# Altium PCB PCB3.PcbDoc (part 1 of 8) (continued)
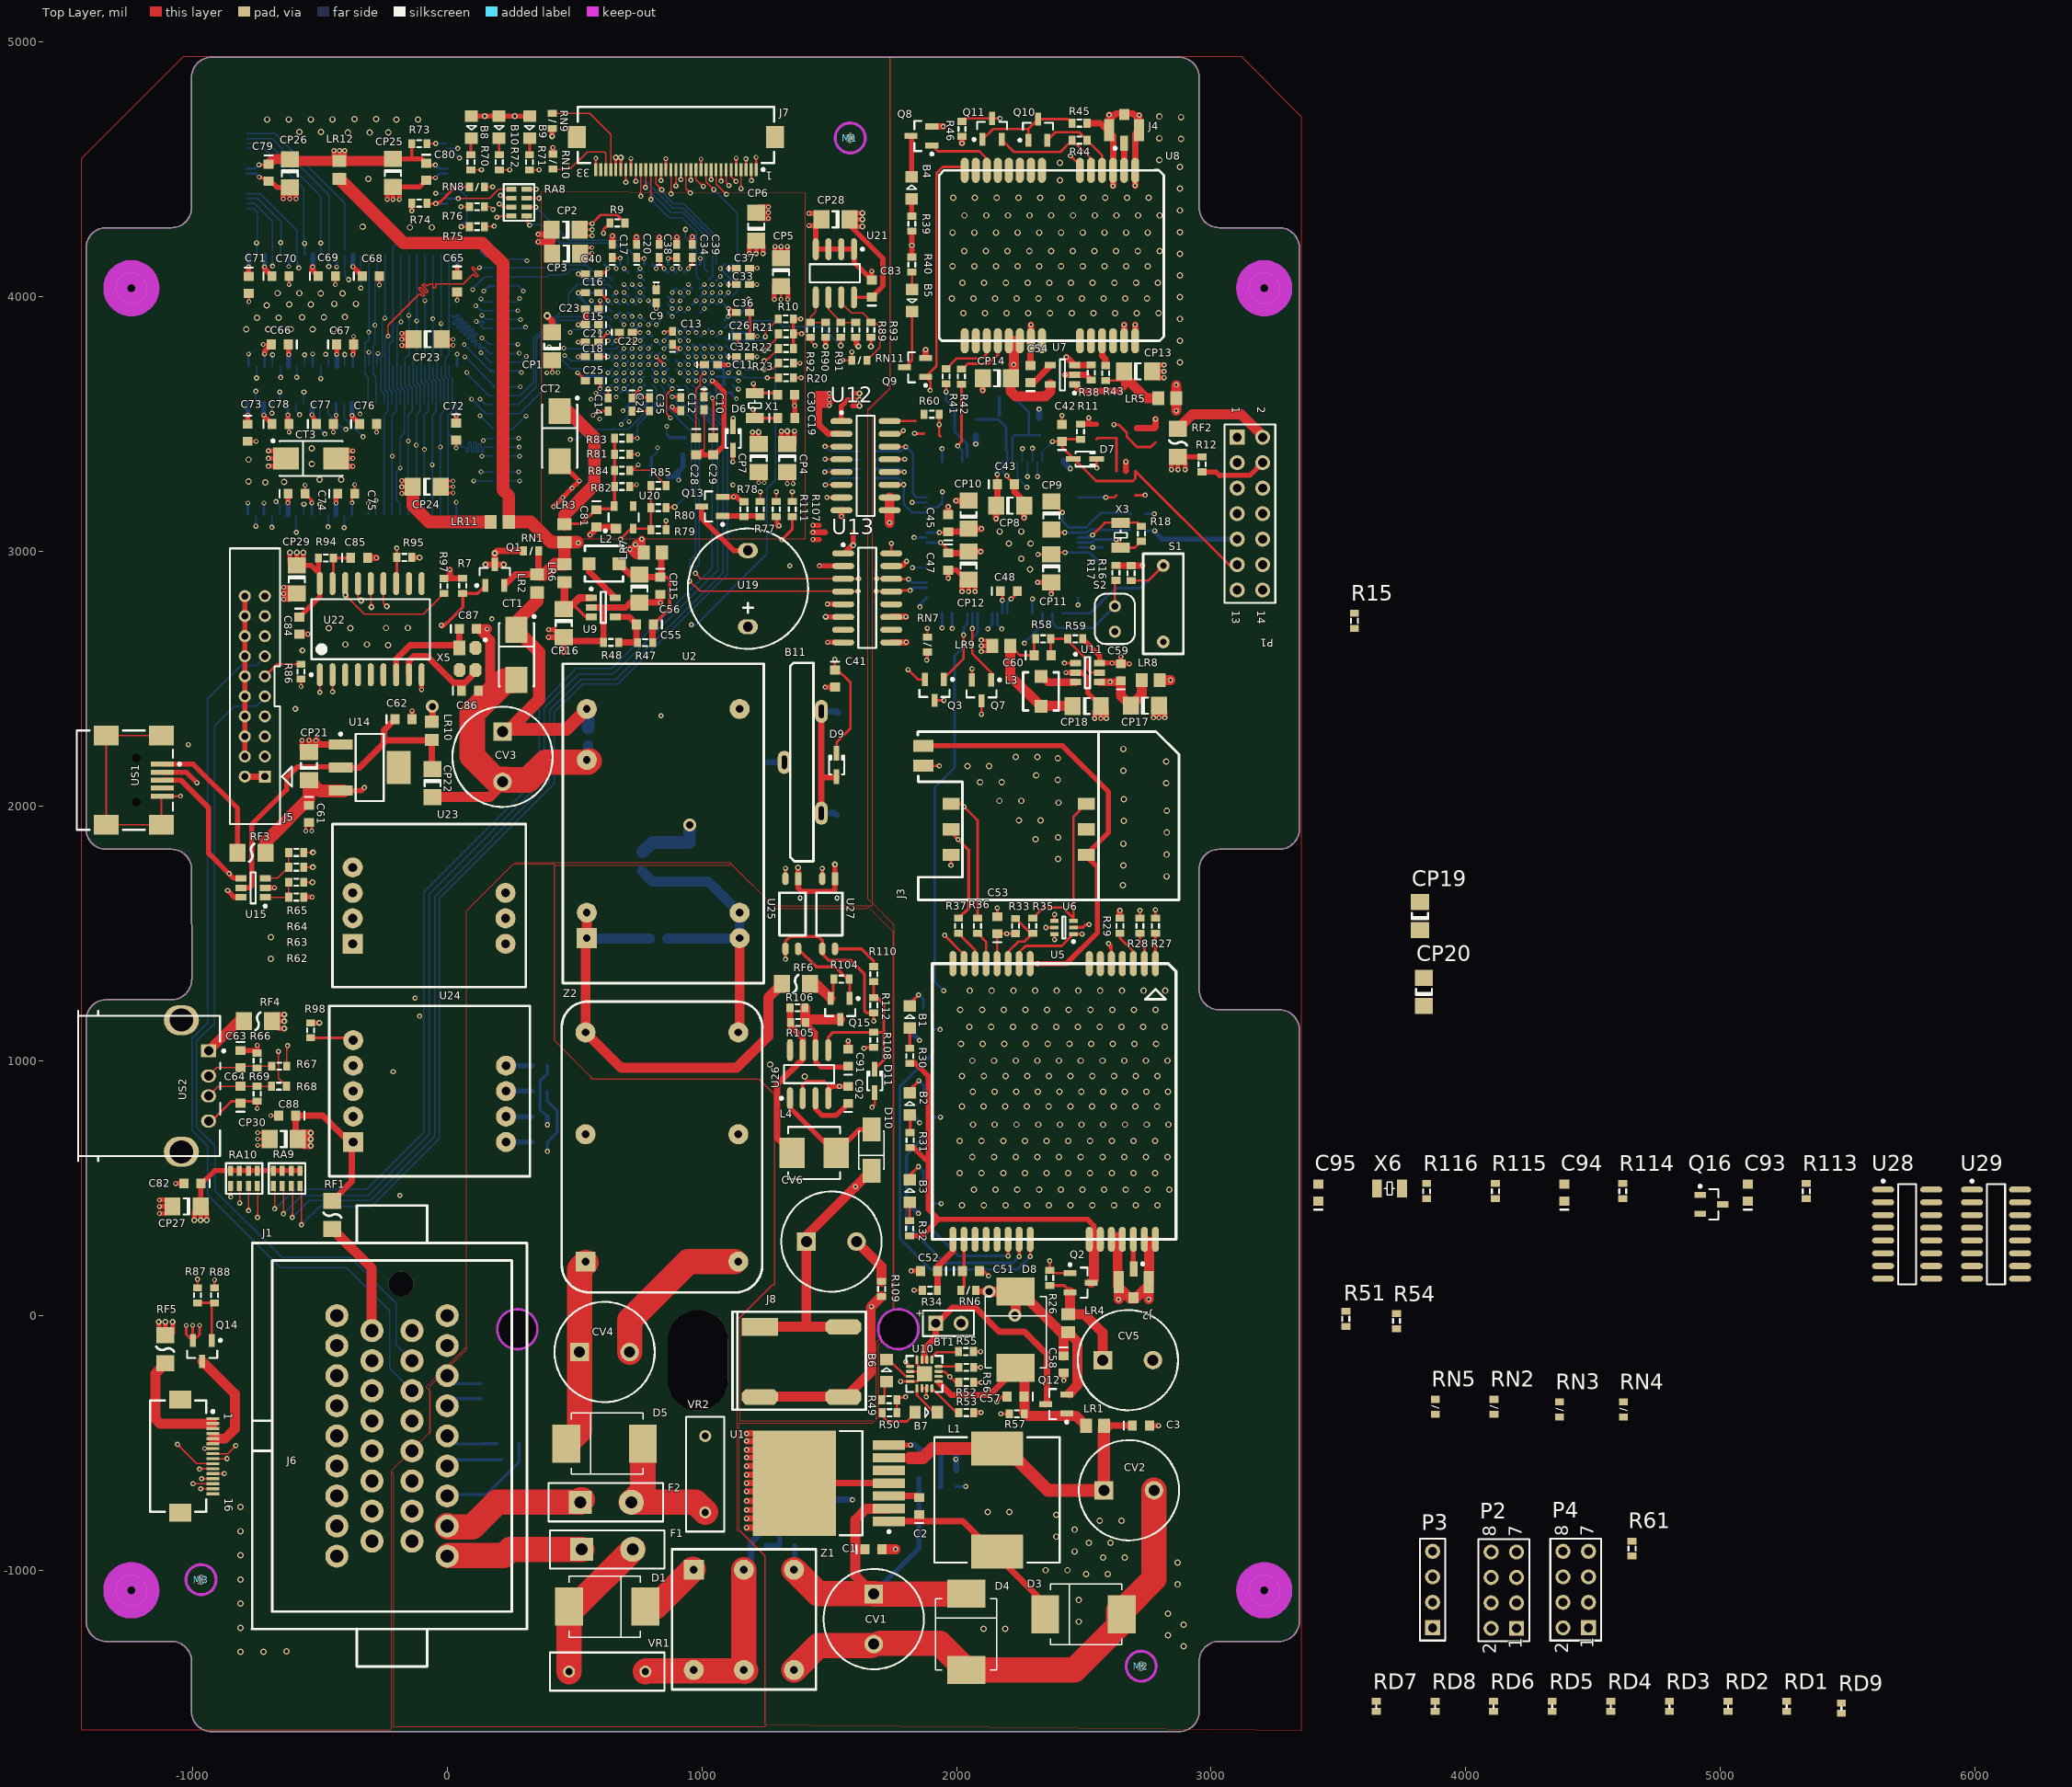
[diagram p0: Top Layer view]
## Components (designator, comment, footprint, x,y, rotation, side; value= is the part's Value field where it differs from the comment)
B1 "RED" 0805LED 1816.93,1172.24 r90 top
B2 "GREEN" 0805LED 1816.93,830.63 r90 top
B3 "RED" 0805LED 1816.93,489.02 r90 top
B4 "GREEN" 0805LED 1823.82,4428.15 r90 top
B5 "RED" 0805LED 1825.76,3986.35 r270 top
B6 "GREEN" 0805LED 1725.39,-215.55 r90 top
B7 "RED" 0805LED 1880.91,-379.92 r0 top
B8 "GREEN" 0805LED 95.45,4666.5 r270 top
B9 "GREEN" 0805LED 323.82,4666.5 r270 top
B10 "GREEN" 0805LED 203.74,4666.5 r270 top
B11 "BATTERY" BR2032-1GV 1469.49,1972.44 r90 top
BT1 "Battery" BAT-2 1968.5,-30.51 r0 top
C1 "C1608X7R1H104K" 1608[0603]C 1674.21,-917.32 r0 top
C2 "C1608X7R1H104K" 1608[0603]C 1853.35,-748.03 r90 top
C3 "C1608X7R1H104K" 1608[0603]C 2724.41,-432.09 r0 top
C4 "C1608X7R1H104K" 1608[0603]C 1968.5,-525.59 r0 bottom
C5 "C1608X7R1H104K" 1608[0603]C 1271.65,-724.41 r180 bottom
C6 "C1608X7R1H104K" 1608[0603]C 1438.98,-619.09 r90 bottom
C7 "C1608X7R1H104K" 1608[0603]C 830.71,1480.32 r0 bottom
C8 "C1608X7R1H104K" 1608[0603]C 554.13,2273.62 r270 bottom
C9 "C1005X7R1H104K" 1005[0402]C 820.84,4002.4 r270 top
C10 "C1005X7R1H104K" 1005[0402]C 1008.83,3582.13 r270 top
C11 "C1005X7R1H104K" 1005[0402]C 1036.39,3733.7 r0 top
C12 "C1005X7R1H104K" 1005[0402]C 917.3,3579.17 r270 top
C13 "C1005X7R1H104K" 1005[0402]C 884.82,3839.02 r90 top
C14 "C1005X7R1H104K" 1005[0402]C 631.86,3577.21 r270 top
C15 "C1005X7R1H104K" 1005[0402]C 568.46,3890.85 r180 top
C16 "C1005X7R1H104K" 1005[0402]C 568.46,4015.98 r180 top
C17 "C1005X7R1H104K" 1005[0402]C 648.59,4180.43 r90 top
C18 "C1005X7R1H104K" 1005[0402]C 568.46,3764.98 r180 top
C19 "C1608C0G1H150J" 1608[0603]C 1331.67,3525.04 r0 top
C20 "C1005X7R1H104K" 1005[0402]C 743.59,4180.43 r90 top
C21 "C1005X7R1H104K" 1005[0402]C 568.46,3822.85 r180 top
C22 "C1005X7R1H104K" 1005[0402]C 701.75,3860.67 r0 top
C23 "C1005X7R1H104K" 1005[0402]C 568.46,3952.98 r180 top
C24 "C1005X7R1H104K" 1005[0402]C 726.35,3577.21 r270 top
C25 "C1005X7R1H104K" 1005[0402]C 568.87,3670.71 r180 top
C26 "C1005X7R1H104K" 1005[0402]C 1163.36,3844.92 r0 top
C27 "C1608C0G1H150J" 1608[0603]C 927.14,3412.84 r270 bottom
C28 "C1608X7R1H222K" 1608[0603]C 977.34,3413.82 r270 top
C29 "C1608X7R1H681K" 1608[0603]C 1045.25,3413.82 r270 top
C30 "C1608C0G1H150J" 1608[0603]C 1330.68,3615.59 r0 top
C31 "C1608C0G1H150J" 1608[0603]C 831.67,3295.71 r0 bottom
C32 "C1005X7R1H104K" 1005[0402]C 1161.39,3765.2 r0 top
C33 "C1005X7R1H104K" 1005[0402]C 1161.39,4048.66 r0 top
C34 "C1005X7R1H104K" 1005[0402]C 901.59,4180.43 r90 top
C35 "C1005X7R1H104K" 1005[0402]C 795.25,3578.19 r270 top
C36 "C1005X7R1H104K" 1005[0402]C 1161.39,3939.41 r0 top
C37 "C1005X7R1H104K" 1005[0402]C 1161.39,4112.64 r0 top
C38 "C1005X7R1H104K" 1005[0402]C 832.59,4180.43 r90 top
C39 "C1005X7R1H104K" 1005[0402]C 962.59,4180.43 r90 top
C40 "C1005X7R1H104K" 1005[0402]C 568.46,4090.43 r180 top
C41 "C1608X7R1H104K" 1608[0603]C 1522.64,2500.98 r270 top
C42 "C1608X7R1H104K" 1608[0603]C 2414.37,3465.55 r90 top
C43 "C1608X7R1H104K" 1608[0603]C 2193.9,3264.76 r0 top
C44 "C1608X7R1H104K" 1608[0603]C 2577.76,3118.11 r270 bottom
C45 "C1608X7R1H104K" 1608[0603]C 1967.52,3111.22 r90 top
C46 "C1608X7R1H104K" 1608[0603]C 2575.79,2983.27 r90 bottom
C47 "C1608X7R1H104K" 1608[0603]C 1967.52,2960.63 r270 top
C48 "C1608X7R1H104K" 1608[0603]C 2205.71,2844.49 r0 top
C49 "C1608C0G1H150J" 1608[0603]C 2075.79,3489.17 r270 bottom
C50 "C1608C0G1H150J" 1608[0603]C 2324.8,3491.14 r90 bottom
C51 "C1608X7R1H104K" 1608[0603]C 2057.09,175.2 r0 top
C52 "C1608X7R1H104K" 1608[0603]C 1892.72,175.2 r180 top
C53 "C1608X7R1H104K" 1608[0603]C 2160.43,1532.48 r90 top
C54 "C1608X7R1H104K" 1608[0603]C 2291.34,3696.85 r90 top
C55 "C1608C0G1H150J" 1608[0603]C 776.55,2714.02 r180 top
C56 "C1608X7R1H104K" 1608[0603]C 837.57,2865.59 r270 top
C57 "C1608X7R1H104K" 1608[0603]C 2232.28,-317.91 r180 top
C58 "C1608X7R1H104K" 1608[0603]C 2421.26,-191.93 r270 top
C59 "C1608X7R1H104K" 1608[0603]C 2645.67,2525.59 r90 top
C60 "C1608X7R1H104K" 1608[0603]C 2338.58,2592.52 r0 top
C61 "C1608X7R1H104K" 1608[0603]C -542.32,1969.49 r270 top
C62 "C1608X7R1H104K" 1608[0603]C -171.29,2340.99 r0 top
C63 "C1608X7R1H681K" 1608[0603]C -812.01,1006.89 r270 top
C64 "C1608X7R1H681K" 1608[0603]C -812.01,867.13 r90 top
C65 "C1608X7R1H104K" 1608[0603]C 39.59,4052.43 r270 top
C66 "C1608X7R1H104K" 1608[0603]C -657.41,3813.43 r180 top
C67 "C1608X7R1H104K" 1608[0603]C -400.41,3812.93 r0 top
C68 "C1608X7R1H104K" 1608[0603]C -299.41,4081.43 r0 top
C69 "C1608X7R1H104K" 1608[0603]C -472.41,4081.43 r0 top
C70 "C1608X7R1H104K" 1608[0603]C -654.41,4081.43 r0 top
C71 "C1608X7R1H104K" 1608[0603]C -778.41,4047.43 r270 top
C72 "C1608X7R1H104K" 1608[0603]C 35.59,3471.43 r270 top
C73 "C1608X7R1H104K" 1608[0603]C -783.41,3466.43 r270 top
C74 "C1608X7R1H104K" 1608[0603]C -591.41,3227.43 r0 top
C75 "C1608X7R1H104K" 1608[0603]C -396.41,3227.43 r0 top
C76 "C1608X7R1H104K" 1608[0603]C -310.41,3501.43 r0 top
C77 "C1608X7R1H104K" 1608[0603]C -480.41,3501.43 r0 top
C78 "C1608X7R1H104K" 1608[0603]C -654.41,3501.43 r0 top
C79 "C1608X7R1H104K" 1608[0603]C -700.79,4488.19 r270 top
C80 "C1608X7R1H104K" 1608[0603]C -82.68,4491.14 r270 top
C81 "C1608X7R1H104K" 1608[0603]C 586.59,3130.36 r270 top
C82 "C1608X7R1H104K" 1608[0603]C -1000,518.7 r180 top
C83 "C1608X7R1H104K" 1608[0603]C 1667.08,4032.69 r90 top
C84 "C1608X7R1H104K" 1608[0603]C -579.75,2709.1 r270 top
C85 "C1608X7R1H104K" 1608[0603]C -345.5,2975.83 r0 top
C86 "C1608C0G1H150J" 1608[0603]C 89.54,2454.17 r0 top
C87 "C1608C0G1H150J" 1608[0603]C 81.67,2696.3 r0 top
C88 "C1608X7R1H104K" 1608[0603]C -627.95,785.43 r180 top
C89 "C1608X7R1H681K" 1608[0603]C 248.03,-502.95 r0 bottom
C90 "C1608X7R1H681K" 1608[0603]C 247.05,-565.94 r0 bottom
C91 "C1608X7R1H104K" 1608[0603]C 1574.8,1012.8 r90 top
C92 "C1608X7R1H222K" 1608[0603]C 1574.8,866.14 r90 top
C93 "C1608X7R1H104K" 1608[0603]C 5107.46,482.59 r90 top
C94 "C1608C0G1H150J" 1608[0603]C 4386.46,482.59 r90 top
C95 "C1608C0G1H150J" 1608[0603]C 3420.46,482.59 r90 top
CM1 "1812HC102MAZ1A" 4532[1812]CA 951.77,1781.5 r270 bottom
CP1 "TAJA106K016RNJ" 3216[1206]CB 412.38,3805.55 r90 top
CP2 "TAJA106K016RNJ" 3216[1206]CB 465.53,4264.21 r180 top
CP3 "TAJA106K016RNJ" 3216[1206]CB 467.59,4170.43 r180 top
CP4 "TAJA106K016RNJ" 3216[1206]CB 1335.6,3366.58 r270 top
CP5 "TAJA106K016RNJ" 3216[1206]CB 1311.02,4096.46 r270 top
CP6 "TAJA106K016RNJ" 3216[1206]CB 1213.58,4275.59 r90 top
CP7 "TAJA106K016RNJ" 3216[1206]CB 1223.4,3366.58 r270 top
CP8 "TAJA106K016RNJ" 3216[1206]CB 2210.63,3180.12 r0 top
CP9 "TAJA106K016RNJ" 3216[1206]CB 2373.03,3141.73 r270 top
CP10 "TAJA106K016RNJ" 3216[1206]CB 2047.24,3144.69 r90 top
CP11 "TAJA106K016RNJ" 3216[1206]CB 2372.05,2934.06 r270 top
CP12 "TAJA106K016RNJ" 3216[1206]CB 2047.24,2944.88 r270 top
CP13 "TAJA106K016RNJ" 3216[1206]CB 2712.6,3707.68 r0 top
CP14 "TAJA106K016RNJ" 3216[1206]CB 2158.46,3680.12 r180 top
CP15 "TAJA106K016RNJ" 3216[1206]CB 754.9,2854.76 r270 top
CP16 "TAJA106K016RNJ" 3216[1206]CB 457.65,2718.94 r270 top
CP17 "TAJA106K016RNJ" 3216[1206]CB 2740.16,2394.69 r0 top
CP18 "TAJA106K016RNJ" 3216[1206]CB 2511.81,2393.7 r0 top
CP19 "TAJA106K016RNJ" 3216[1206]CB 3820,1569 r90 top
CP20 "TAJA106K016RNJ" 3216[1206]CB 3836,1271 r90 top
CP21 "TAJA106K016RNJ" 3216[1206]CB -542.35,2157.91 r90 top
CP22 "TAJA106K016RNJ" 3216[1206]CB -57.09,2090.55 r270 top
CP23 "TAJA106K016RNJ" 3216[1206]CB -76.41,3833.43 r0 top
CP24 "TAJA106K016RNJ" 3216[1206]CB -79.72,3254.92 r0 top
CP25 "TAJA106K016RNJ" 3216[1206]CB -212.6,4486.22 r270 top
CP26 "TAJA106K016RNJ" 3216[1206]CB -618.11,4485.24 r270 top
CP27 "TAJA106K016RNJ" 3216[1206]CB -1023.62,428.15 r180 top
CP28 "TAJA106K016RNJ" 3216[1206]CB 1525.34,4304.35 r180 top
CP29 "TAJA106K016RNJ" 3216[1206]CB -590.58,2890.2 r270 top
CP30 "TAJA106K016RNJ" 3216[1206]CB -641.73,692.91 r180 top
CT1 "TAJC107K016RNJ" 6032[2312]CC 272.61,2594.92 r270 top
CT2 "TAJC107K016RNJ" 6032[2312]CC 441.9,3453.19 r270 top
CT3 "TAJC107K016RNJ" 6032[2312]CC -534.47,3365.59 r0 top
CV1 "EEU-FM1H271" CAPPR5-10X20/H1.1 1675.2,-1191.93 r270 top
CV2 "EEU-FM1V471" CAPPR5-10X20/H1.1 2677.17,-686.02 r0 top
CV3 "EEU-FM1V471" CAPPR5-10X20/H1.1 217.52,2193.9 r270 top
CV4 "EEU-FM1H271" CAPPR5-10X20/H1.1 618.46,-143.15 r0 top
CV5 "EEUFC1A122" CAPPR5-10X20/H1.1 2673.23,-175.2 r0 top
CV6 "EEU-FM1H271" CAPPR5-10X20/H1.1 1508.86,290.35 r0 top
D1 "IN5408" DO-214AB/SMC 628.46,-1143.15 r0 top
D2 "BZX384-B20,115" SOD323 1852.96,-592.23 r270 bottom
D3 "SS36-E3/57T" DO-214AB/SMC 2498.46,-1173.15 r180 top
D4 "SMCJ48A-E3/57T" DO-214AB/SMC 2038.39,-1242.13 r90 top
D5 "IN5408" DO-214AB/SMC 618.46,-503.15 r180 top
D6 "1N4148W-V-GS08" SOD323 1123.03,3443.9 r90 top
D7 "1N4148W-V-GS08" SOD323 2504.92,3363.19 r0 top
D8 "IN5408" DO-214AB/SMC 2232.28,-56.1 r90 top
D9 "1N4148W-V-GS08" SOD323 1529.46,2161.85 r90 top
D10 "SS14HE3/5AT" DO-214AC/SMA 1666.34,649.61 r270 top
D11 "1N4148W-V-GS08" SOD323 1679.13,921.26 r90 top
F1 "60R090XU" FUS-0.2 628.46,-918.15 r0 top
F2 "60R090XU" FUS-0.2 623.46,-733.15 r0 top
J1 "2-6447232-3" 2-6447232-3 -216.54,-473.15 r270 top locked
J2 "MHF Plug" MHF[MCB3]-V4 2695.87,131.89 r180 top
J3 "MUP-C745" MUP-C745 1978.35,1809.06 r90 top
J4 "MHF Plug" MHF[MCB3]-V4 2658.46,4654.53 r0 top
J5 "JTAG" IDC20S -716.56,2116.58 r270 top
J6 "1-1734592-6" FFC/SM0.5-2H16 -984.25,-552.17 r270 top
J7 "FFC33" FFC/SM0.5-2H33 898.46,4563.85 r180 top
J8 "JST" JST 1391.73,-182.09 r90 top
L1 "B82477P4683M000" INDP125125X85N 2159.45,-724.41 r90 top
L2 "CDRH2D18/HPNP-100NC" INDP3232 616.12,2952.21 r0 top
L3 "CDRH2D18/HPNP-100NC" INDP3232 2331.69,2450.79 r90 top
L4 "CDRH5D28RH125NP-470MC" INDP5050X28N 1440.94,638.78 r0 top
LR1 "MPZ2012S221A" 2012[0805] 2544.29,-433.07 r180 top
LR2 "MPZ2012S221A" 2012[0805] 353.32,2874.45 r90 top
LR3 "MPZ2012S221A" 2012[0805] 460.6,3072.28 r90 top
LR4 "MPZ2012S221A" 2012[0805] 2438.98,-30.51 r90 top
LR5 "MPZ2012S221A" 2012[0805] 2827.76,3602.36 r180 top
LR6 "MPZ2012S221A" 2012[0805] 460.6,2914.8 r90 top
LR7 "MPZ2012S221A" 2012[0805] 808.07,2996.06 r180 top
LR8 "MPZ2012S221A" 2012[0805] 2762.8,2495.08 r0 top
LR9 "MPZ2012S221A" 2012[0805] 2176.18,2629.92 r180 top
LR10 "MPZ2012S221A" 2012[0805] -60.04,2296.26 r90 top
LR11 "MPZ2012S221A" 2012[0805] 206.69,3116.14 r180 top
LR12 "MPZ2012S221A" 2012[0805] -423.23,4499.02 r90 top
M1 "MARK" MARK 1582.68,4624.02 r0 top
M2 "MARK" MARK 2725.39,-1376.97 r0 top
M3 "MARK" MARK -966.54,-1037 r0 top
P1 "0-281272-1" HDR2X7 3102.36,3448.82 r270 top
P2 "Header 4X2" HDR2X4 4199.46,-1228.41 r90 top
P3 "Header 4" HDR1X4 3870,-1226 r90 top
P4 "Header 4X2" HDR2X4 4482,-1226 r90 top
Q1 "AO3401A" SOT23_N 186.98,2907.91 r90 top
Q2 "AO3401A" SOT23_N 2487.2,128.94 r0 top
Q3 "PDTC143ET,235" SOT23_N 1913.39,2456.69 r270 top
Q4 "PDTC143ET,235" SOT23_N 1870.08,1164.37 r90 bottom
Q5 "PDTC143ET,235" SOT23_N 1870.08,820.87 r90 bottom
Q6 "PDTC143ET,235" SOT23_N 1870.08,481.3 r90 bottom
Q7 "PDTC143ET,235" SOT23_N 2098.43,2454.72 r270 top
Q8 "PDTC143ET,235" SOT23_N 1862.2,4631.89 r180 top
Q9 "PDTC143ET,235" SOT23_N 1837.6,3723.43 r180 top
Q10 "MMBT3906LT1G" SOT23_N 2319.88,4656.5 r90 top
Q11 "MMBT3906LT1G" SOT23_N 2139.76,4659.45 r90 top
Q12 "AO3401A" SOT23_N 2391.73,-347.44 r180 top
Q13 "SI2302CDS-T1-E3" SOT23_N 1040.33,3177.17 r180 top
Q14 "SI2302CDS-T1-E3" SOT23_N -961.61,-138.78 r270 top
Q15 "AO3401A" SOT23_N 1543.31,1203.74 r270 top
Q16 "2N3904" SOT-23_N 4964.46,436.59 r0 top
R1 "CRCW06031K00FKEA" 1608[0603]R 1968.5,-671.26 r180 bottom
R2 "CRCW060310K0FKEA" 1608[0603]R 1969.49,-607.28 r0 bottom
R3 "CRCW06031M00FKEA" 1608[0603]R 1335.63,-903.54 r0 bottom
R4 "CRCW06031K00FKEA" 1608[0603]R 1305.12,-818.9 r90 bottom
R5 "CRCW06031K00FKEA" 1608[0603]R 1409.45,-723.43 r0 bottom
R6 "CRCW0603100KFKEA" 1608[0603]R 1223.43,-903.54 r0 bottom
R7 "CRCW0603100KFKEA" 1608[0603]R 61,2865.59 r270 top
R8 "CRCW06031M00FKEA" 1608[0603]R 763.78,1775.59 r90 bottom
R9 "CRCW060310K0FKEA" 1608[0603]R 668.31,4290.35 r180 top
R10 "CRCW060310K0FKEA" 1608[0603]R 1329.72,3913.39 r180 top
R11 "CRCW060310K0FKEA" 1608[0603]R 2487.2,3470.47 r270 top
R12 "CRCW06030000ZSTA" 1608[0603]R 2964.57,3342.52 r270 top
R13 "CRCW06030000ZSTA" 1608[0603]R 2714.57,3147.64 r180 bottom
R14 "CRCW06030000ZSTA" 1608[0603]R 2714.57,3081.69 r180 bottom
R15 "CRCW060310K0FKEA" 1608[0603]R 3563,2728 r90 top
R16 "CRCW06031M00FKEA" 1608[0603]R 2686.02,2915.35 r270 top
R17 "CRCW0603100KFKEA" 1608[0603]R 2625.98,2916.34 r270 top
R18 "CRCW06031M00FKEA" 1608[0603]R 2726.38,3069.88 r90 top
R19 "CRCW06031M00FKEA" 1608[0603]R 2198.82,3604.33 r180 bottom
R20 "CRCW060310K0FKEA" 1608[0603]R 1330.71,3682.09 r180 top
R21 "CRCW060310K0FKEA" 1608[0603]R 1330.71,3855.32 r180 top
R22 "CRCW060310K0FKEA" 1608[0603]R 1330.71,3797.58 r180 top
R23 "CRCW060310K0FKEA" 1608[0603]R 1330.71,3739.83 r0 top
R24 "CRCW060322R0FKEA" 1608[0603]R 1649.61,2933.07 r180 bottom
R25 "CRCW060322R0FKEA" 1608[0603]R 1649.61,2799.21 r180 bottom
R26 "CRCW0603100KFKEA" 1608[0603]R 2366.14,147.64 r90 top
R27 "CRCW06030000ZSTA" 1608[0603]R 2781.5,1530.51 r90 top
R28 "CRCW06030000ZSTA" 1608[0603]R 2720.47,1530.51 r90 top
R29 "CRCW06030000ZSTA" 1608[0603]R 2641.73,1530.51 r270 top
R30 "CRCW060310K0FKEA" 1608[0603]R 1816.93,1019.69 r270 top
R31 "CRCW060310K0FKEA" 1608[0603]R 1817.91,688.98 r270 top
R32 "CRCW060310K0FKEA" 1608[0603]R 1815.94,342.52 r270 top
R33 "CRCW0603100KFKEA" 1608[0603]R 2232.28,1529.53 r90 top
R34 "CRCW0603100KFKEA" 1608[0603]R 1895.67,99.41 r180 top
R35 "CRCW060322R0FKEA" 1608[0603]R 2299.21,1530.51 r90 top
R36 "CRCW060322R0FKEA" 1608[0603]R 2082.68,1530.51 r90 top
R37 "CRCW060322R0FKEA" 1608[0603]R 2007.87,1530.51 r90 top
R38 "CRCW0603100KFKEA" 1608[0603]R 2529.53,3702.76 r270 top
R39 "CRCW060310K0FKEA" 1608[0603]R 1824.8,4287.4 r270 top
R40 "CRCW060310K0FKEA" 1608[0603]R 1824.78,4127.1 r90 top
R41 "CRCW06030000ZSTA" 1608[0603]R 1959.65,3687.99 r270 top
R42 "CRCW06030000ZSTA" 1608[0603]R 2019.69,3687.01 r270 top
R43 "CRCW06030000ZSTA" 1608[0603]R 2585.63,3700.79 r270 top
R44 "CRCW060322R0FKEA" 1608[0603]R 2483.27,4615.16 r180 top
R45 "CRCW060310K0FKEA" 1608[0603]R 2483.27,4682.09 r180 top
R46 "CRCW0603100KFKEA" 1608[0603]R 2021.65,4659.45 r270 top
R47 "TNPW0603160KBEEN" 1608[0603]R 777.53,2642.17 r180 top
R48 "CRCW060310K0FKEA" 1608[0603]R 643.68,2643.15 r0 top
R49 "CRCW060310K0FKEA" 1608[0603]R 1736.22,-330.71 r180 top
R50 "CRCW060310K0FKEA" 1608[0603]R 1737.2,-381.89 r180 top
R51 "CRCW06031M00FKEA" 1608[0603]R 3529,-13 r90 top
R52 "CRCW0603100KFKEA" 1608[0603]R 2038.39,-262.8 r0 top
R53 "CRCW06031K00FKEA" 1608[0603]R 2038.39,-380.91 r0 top
R54 "CRCW06031M00FKEA" 1608[0603]R 3728,-22 r90 top
R55 "CRCW060310K0FKEA" 1608[0603]R 2037.4,-141.73 r0 top
R56 "CRCW0603680RFKEA" 1608[0603]R 2038.39,-203.74 r0 top
R57 "CRCW0603100KFKEA" 1608[0603]R 2237.2,-385.83 r0 top
R58 "TNPW0603453KBEEN" 1608[0603]R 2340.55,2657.48 r0 top
R59 "CRCW0603100KFKEA" 1608[0603]R 2466.54,2657.48 r0 top
R60 "CRCW06030000ZSTA" 1608[0603]R 1902.56,3539.37 r0 top
R61 "CRCW06030000ZSTA" 1608[0603]R 4653,-915 r90 top
R62 "CRCW0603300KFKEA" 1608[0603]R -592.54,1643.15 r0 top
R63 "CRCW060322R0FKEA" 1608[0603]R -592.54,1701.22 r180 top
R64 "CRCW060322R0FKEA" 1608[0603]R -592.54,1760.28 r180 top
R65 "CRCW06031K00FKEA" 1608[0603]R -592.54,1818.35 r0 top
R66 "CRCW060315K0FKEA" 1608[0603]R -746.06,1000.92 r90 top
R67 "CRCW060322R0FKEA" 1608[0603]R -659.45,979.33 r180 top
R68 "CRCW060322R0FKEA" 1608[0603]R -660.43,900.59 r180 top
R69 "CRCW060315K0FKEA" 1608[0603]R -746.06,871.06 r270 top
R70 "CRCW060310K0FKEA" 1608[0603]R 93.48,4528.7 r270 top
R71 "CRCW060310K0FKEA" 1608[0603]R 323.33,4528.7 r270 top
R72 "CRCW060310K0FKEA" 1608[0603]R 204.72,4528.7 r270 top
R73 "CRCW060310K0FKEA" 1608[0603]R -109.25,4601.38 r0 top
R74 "CRCW060310K0FKEA" 1608[0603]R -109.25,4368.11 r0 top
R75 "CRCW060322R0FKEA" 1608[0603]R 117.13,4275.59 r0 top
R76 "CRCW060322R0FKEA" 1608[0603]R 117.13,4353.84 r0 top
R77 "CRCW060322R0FKEA" 1608[0603]R 1229.31,3166.77 r270 top
R78 "CRCW060310K0FKEA" 1608[0603]R 1165.35,3166.34 r90 top
R79 "CRCW060310K0FKEA" 1608[0603]R 829.7,3085.08 r180 top
R80 "CRCW060322R0FKEA" 1608[0603]R 829.7,3172.19 r0 top
R81 "CRCW060310K0FKEA" 1608[0603]R 686.98,3382 r0 top
R82 "CRCW060310K0FKEA" 1608[0603]R 686.98,3255.36 r0 top
R83 "CRCW060310K0FKEA" 1608[0603]R 686.98,3445.32 r0 top
R84 "CRCW060310K0FKEA" 1608[0603]R 686.98,3318.68 r0 top
R85 "CRCW0603120RFKEA" 1608[0603]R 829.7,3259.29 r180 top
R86 "CRCW06031K00FKEA" 1608[0603]R -573.82,2528.54 r270 top
R87 "CRCW060322R0FKEA" 1608[0603]R -980.7,79.41 r90 top
R88 "CRCW060310K0FKEA" 1608[0603]R -913.46,79.41 r90 top
R89 "CRCW06031K00FKEA" 1608[0603]R 1604.82,3870.29 r90 top
R90 "CRCW06031K00FKEA" 1608[0603]R 1486.22,3870.29 r90 top
R91 "CRCW060322R0FKEA" 1608[0603]R 1545.52,3870.29 r270 top
R92 "CRCW060322R0FKEA" 1608[0603]R 1426.92,3870.29 r270 top
R93 "CRCW060310K0FKEA" 1608[0603]R 1664.12,3870.29 r90 top
R94 "CRCW060310K0FKEA" 1608[0603]R -476.4,2974.84 r180 top
R95 "CRCW060310K0FKEA" 1608[0603]R -168.33,2976.81 r180 top
R96 "CRCW0603120RFKEA" 1608[0603]R 133.86,-297.24 r270 bottom
R97 "CRCW060310K0FKEA" 1608[0603]R -12.82,2864.61 r90 top
R98 "CRCW060310K0FKEA" 1608[0603]R -536.42,1120.08 r270 top
R99 "CRCW06031K00FKEA" 1608[0603]R 364.17,981.3 r180 bottom
R100 "CRCW060322R0FKEA" 1608[0603]R 364.17,881.23 r180 bottom
R101 "CRCW0603120RFKEA" 1608[0603]R 136.81,-533.46 r270 bottom
R102 "CRCW060322R0FKEA" 1608[0603]R 364.17,781.17 r180 bottom
R103 "CRCW06031K00FKEA" 1608[0603]R 364.17,681.1 r180 bottom
R104 "CRCW0603100KFKEA" 1608[0603]R 1548.23,1320.87 r0 top
R105 "CRCW06032R00FKEA" 1608[0603]R 1377.95,1150.59 r180 top
R106 "CRCW06032R00FKEA" 1608[0603]R 1375.98,1208.66 r180 top
R107 "CRCW06031K00FKEA" 1608[0603]R 1355.29,3166.77 r270 top